# Altium PCB SHD2ZW2v1.2.1.PcbDoc (part 1 of 2)
Units mm, origin at the board's own origin, x right, y up, seen from the top; angles counter-clockwise.
Board outline 80 x 70.63 mm, 2 copper layers (Top Layer, Bottom Layer), stack 1.671 mm thick; 108 components, 77 nets, 372 pads, 328 vias.
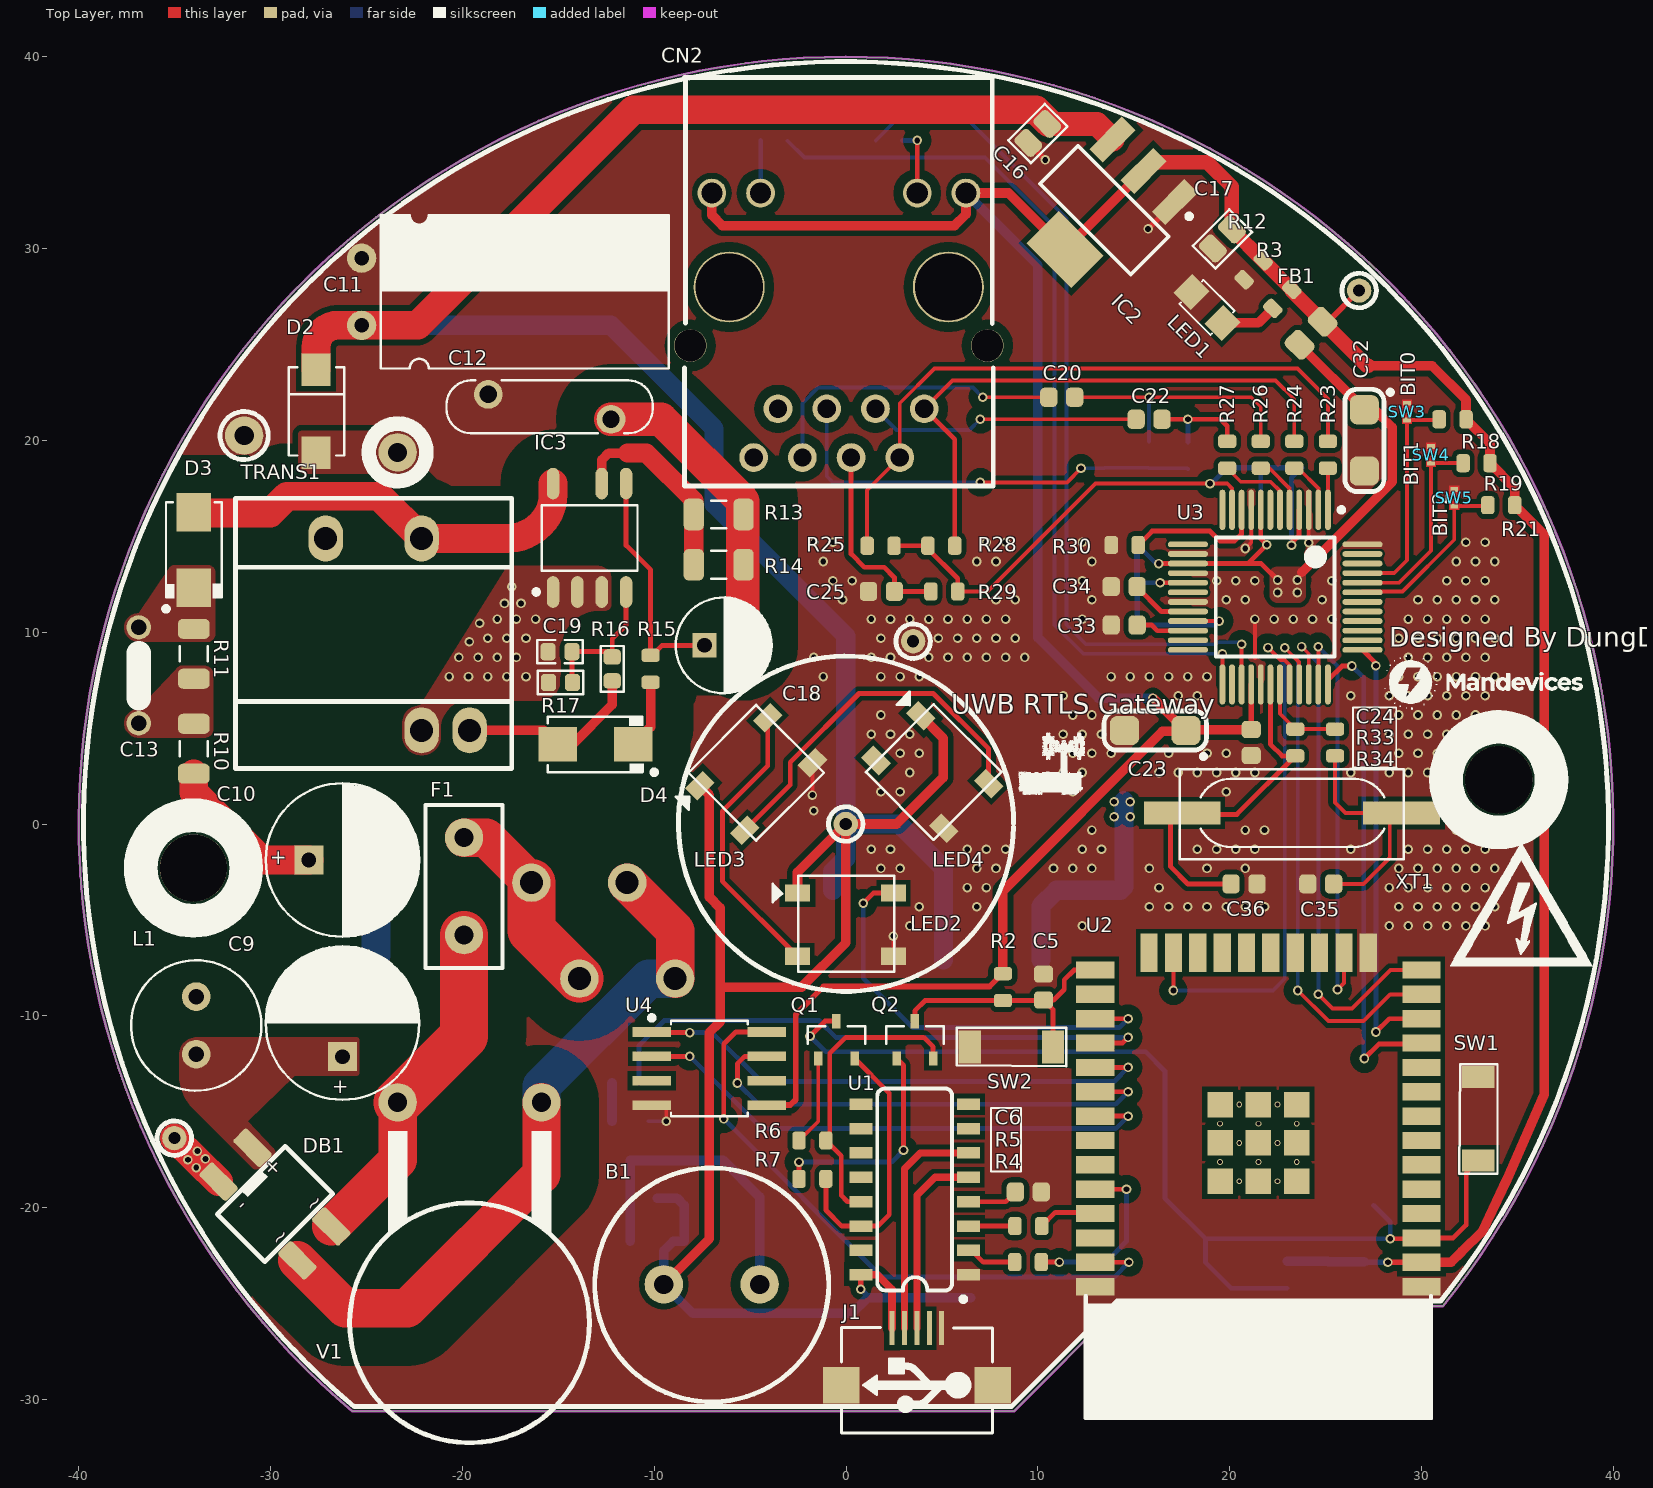
[diagram p0: Top Layer view]
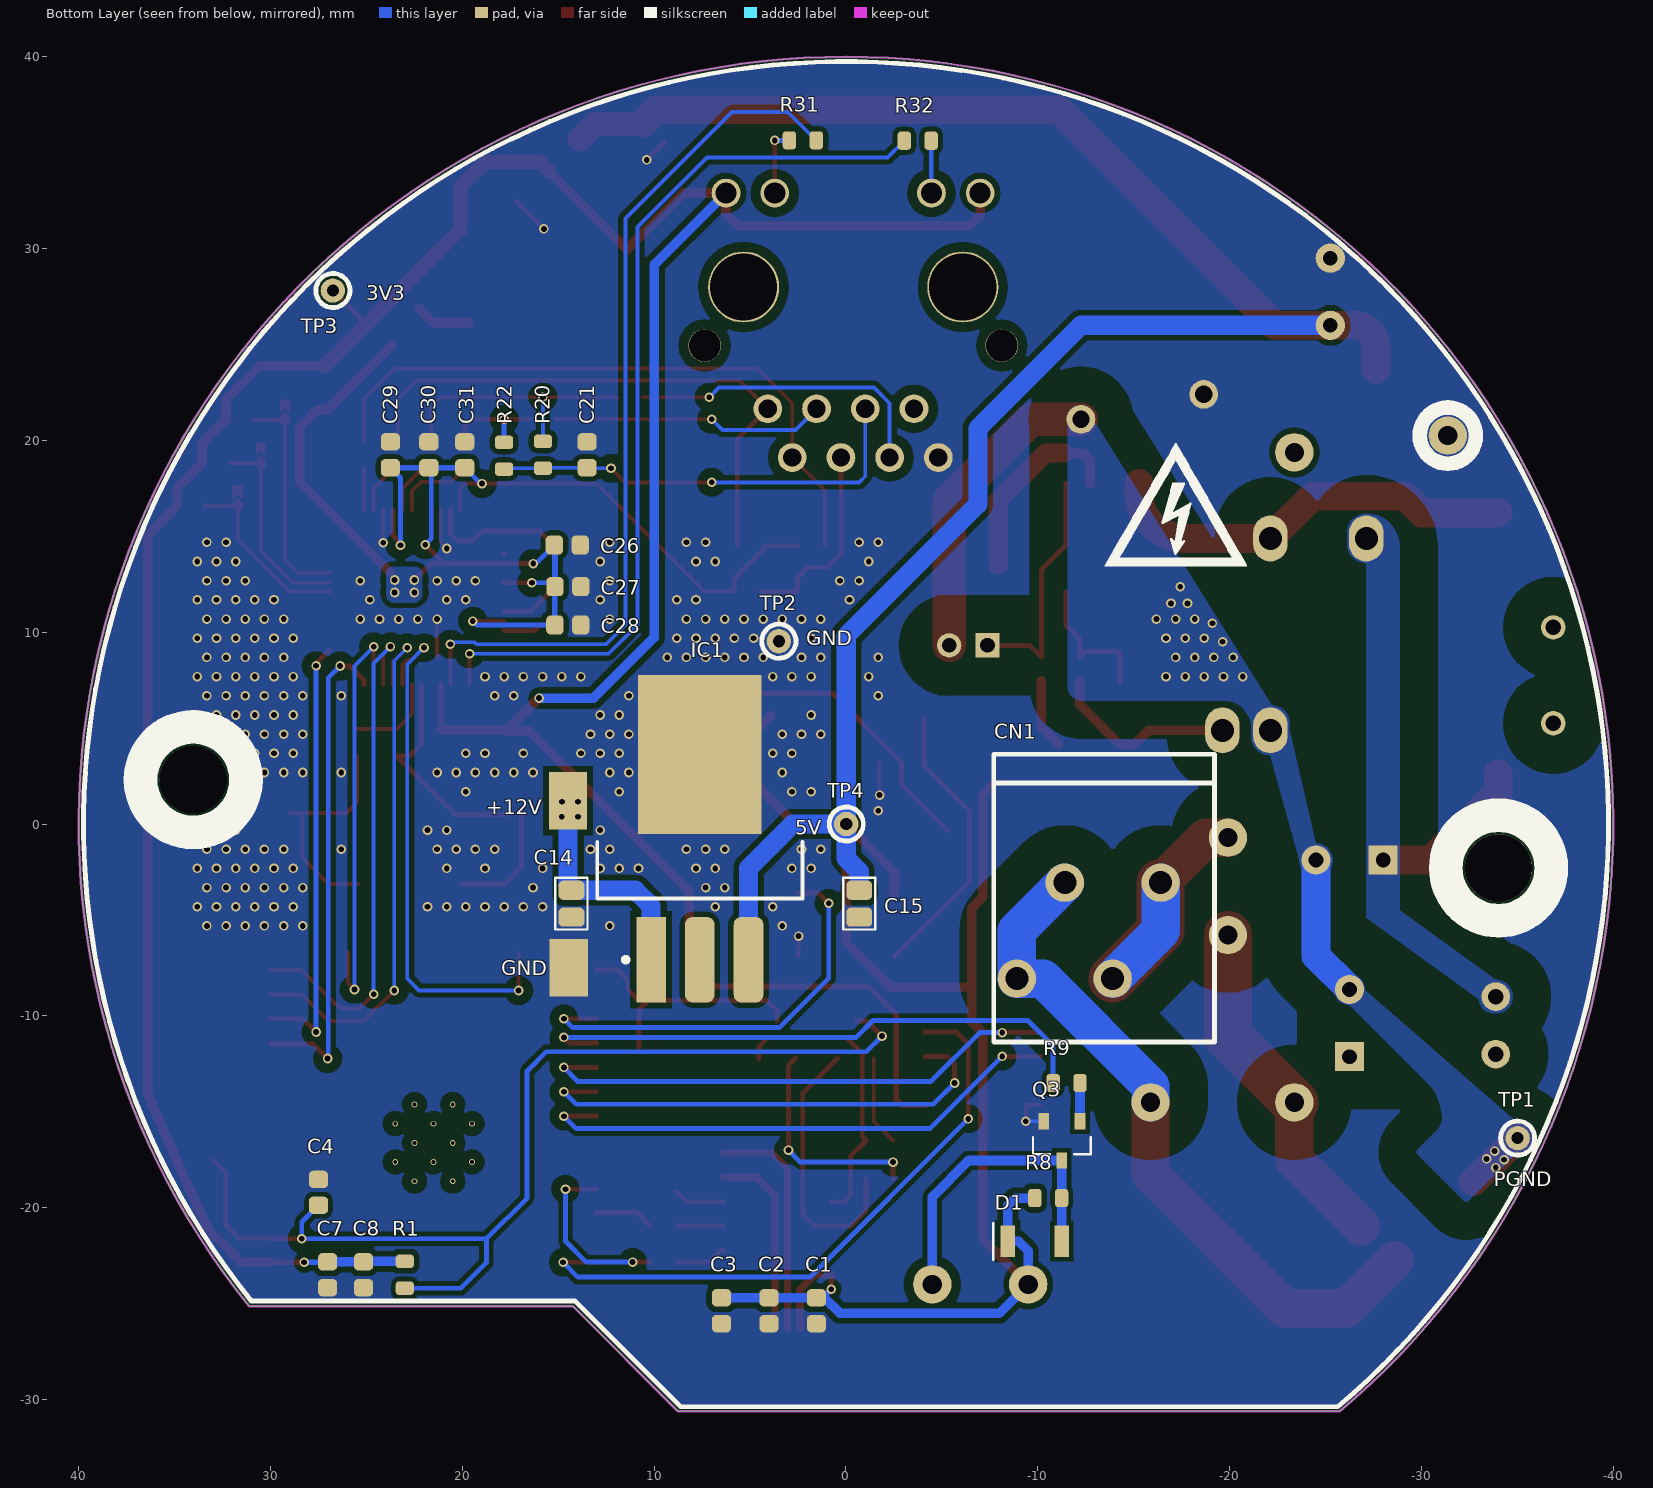
[diagram p1: Bottom Layer view, seen from below]
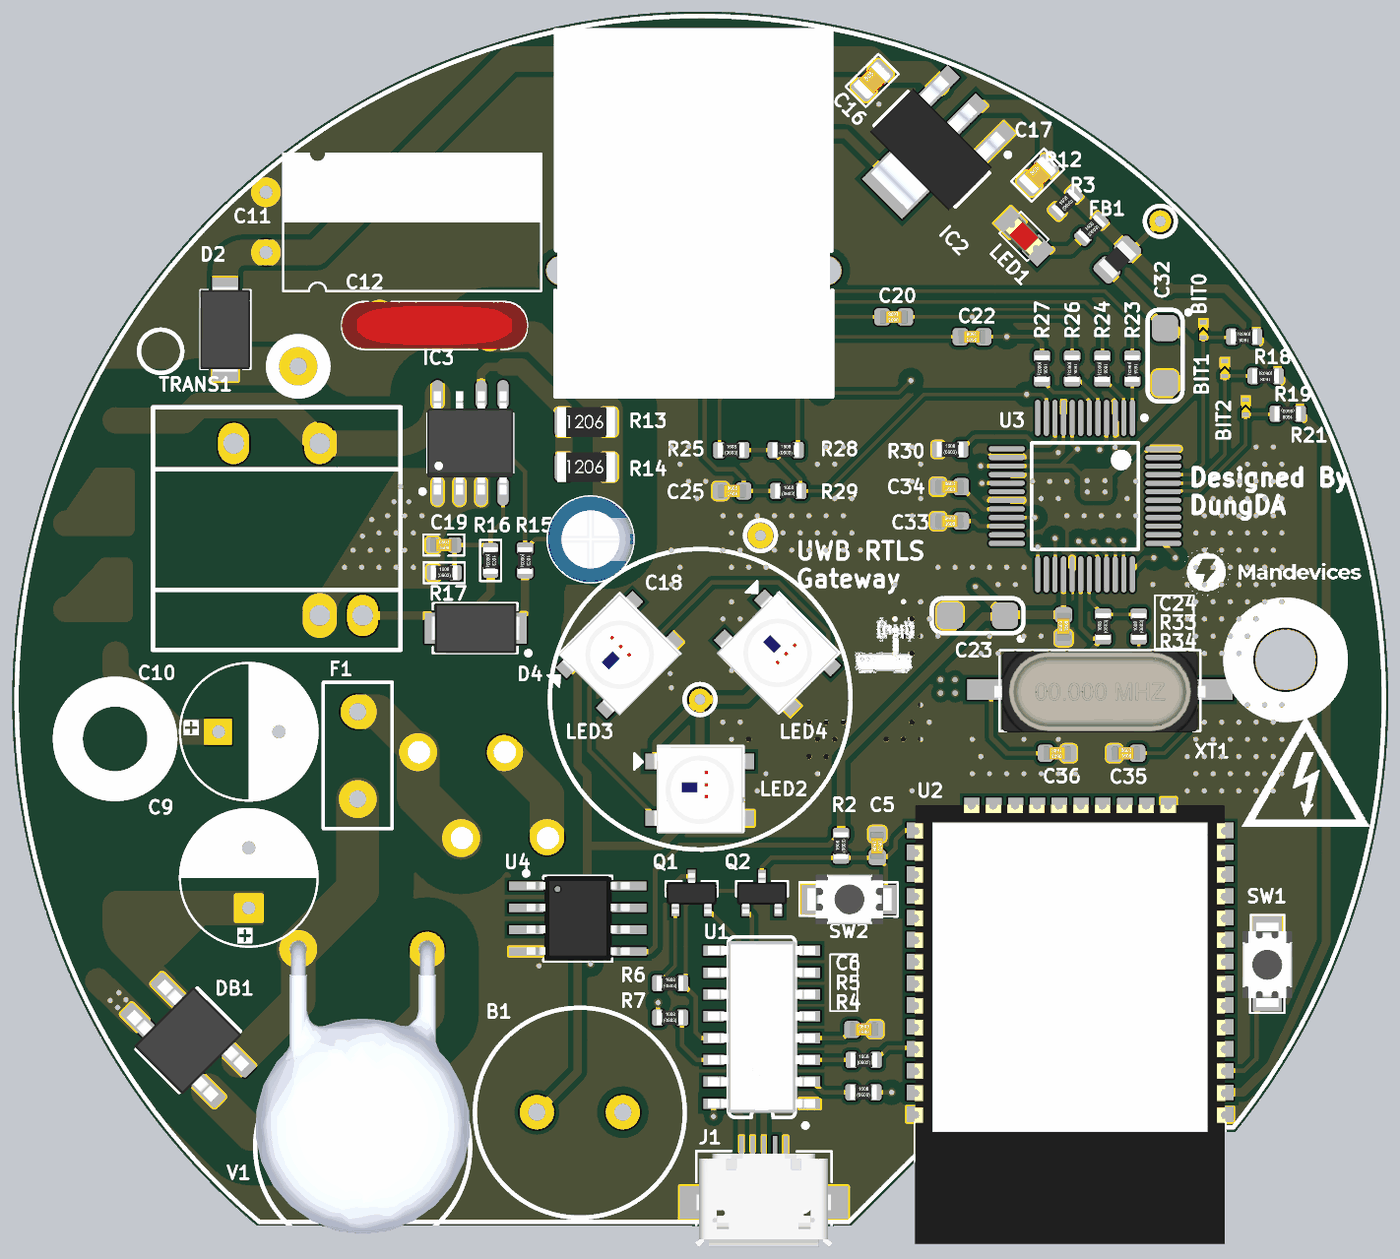
[diagram p3: 3D render of the assembled board from above, using the file's embedded part models]
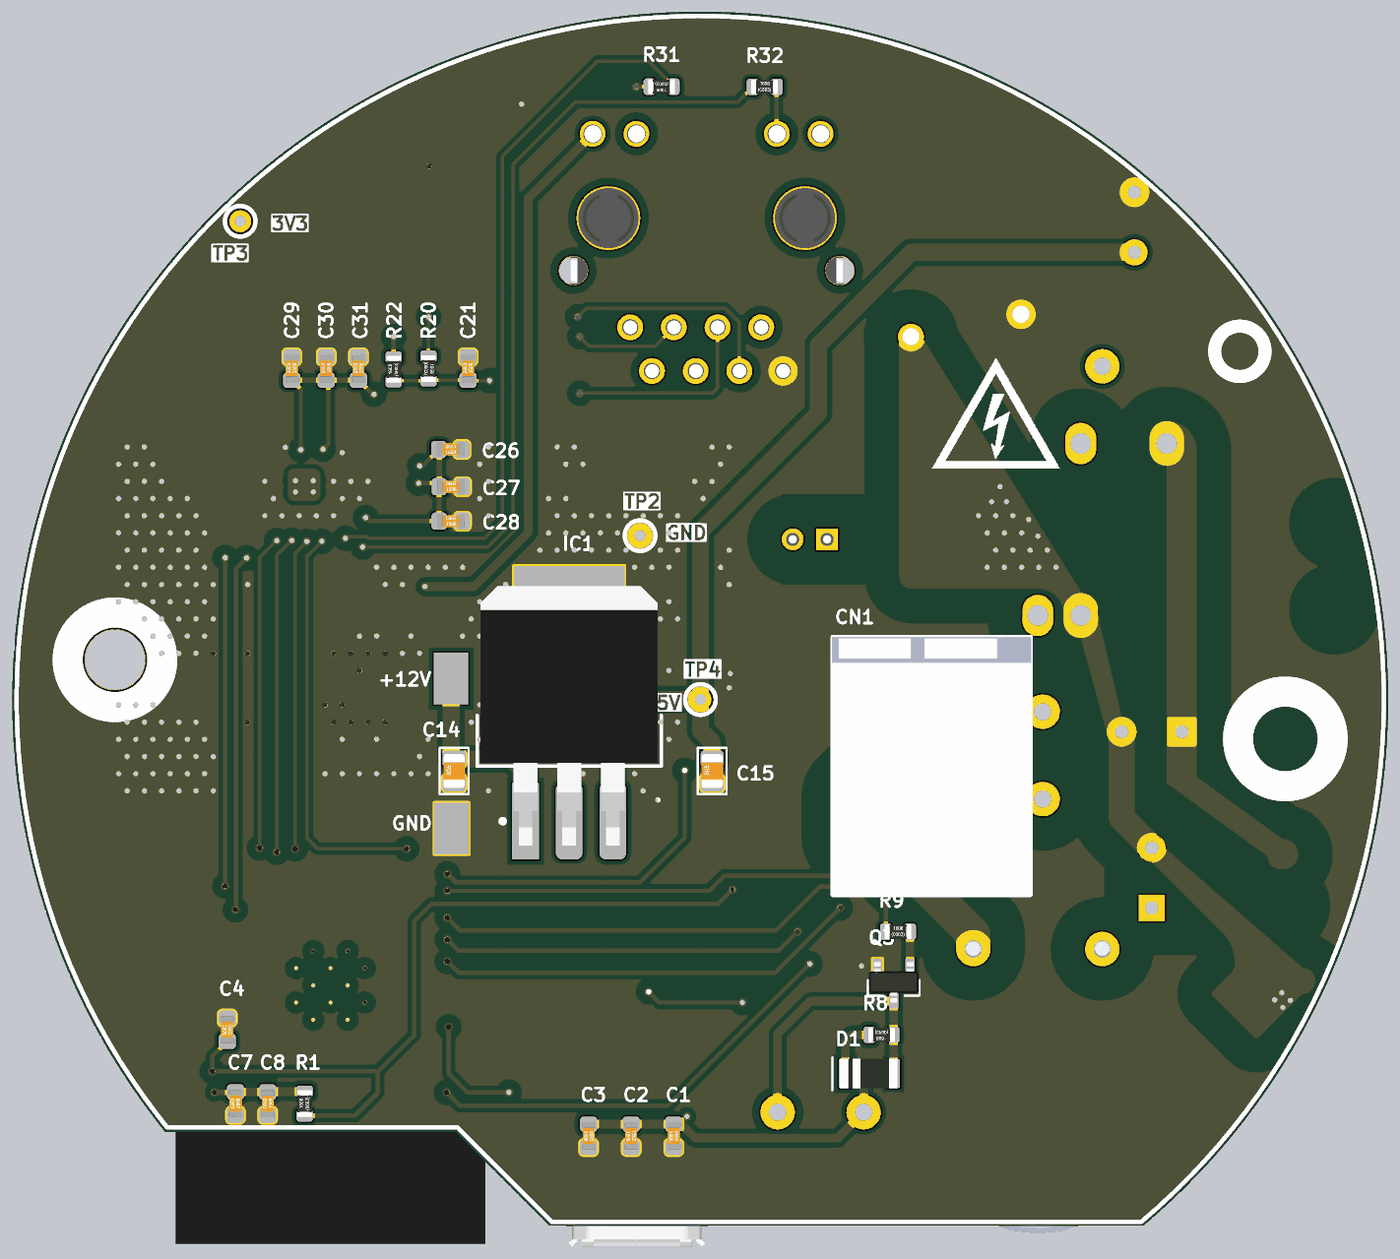
[diagram p4: 3D render of the assembled board from below, using the file's embedded part models]

## Layer stack, top to bottom
Top Solder: solder mask 0.0102, Solder Resist, Dk 3.5
Top Layer: signal copper 0.0356
Dielectric1: core 1.6, FR-4, Dk 4.8
Bottom Layer: signal copper 0.0356
Bottom Solder: solder mask 0.0102, Solder Resist, Dk 3.5

## Board outline
-25.73,-30.626 cw(c0,0) 31.114,-25.137 31.115,-25.138 14.237,-25.138 8.75,-30.625

## Design rules (kind name [scope] priority, off if disabled: settings)
Clearance W5500 [HasFootprint('LQFP 48');] p1: gap=0.127 ignorepadtopadclearanceinfootprint=FALSE
Clearance "In Peak voltage class" [(InNetClass('Peak voltage')) vs (InNetClass('Peak voltage'))] p2: gap=0.25 ignorepadtopadclearanceinfootprint=FALSE except(0: Arc-Hole Track-Hole SMDPad-Hole THPad-Hole Via-Hole Fill-Hole Poly-Hole Region-Hole Text-Hole)
Clearance "In Power voltage class" [InNetClass('Power') vs InNetClass('Power')] p3: gap=0.25 ignorepadtopadclearanceinfootprint=FALSE except(0: Arc-Hole Track-Hole SMDPad-Hole THPad-Hole Via-Hole Fill-Hole Poly-Hole Region-Hole Text-Hole)
Clearance "Keepout layer" [(InNetClass('Low voltage') OR InNetClass('Peak power') OR InNetClass('Power') OR InPolygon) vs OnLayer('Keep-Out Layer')] p4: gap=0.25 ignorepadtopadclearanceinfootprint=FALSE except(0: Arc-Hole Track-Hole SMDPad-Hole THPad-Hole Via-Hole Fill-Hole Poly-Hole Region-Hole Text-Hole)
Clearance "Peak Voltage class" [InNetClass('Peak power')] p5: gap=1 ignorepadtopadclearanceinfootprint=FALSE except(0: Arc-Hole Track-Hole SMDPad-Hole THPad-Hole Via-Hole Fill-Hole Poly-Hole Region-Hole Text-Hole)
Clearance "GND Plane to Low voltage" [(InNamedPolygon('GND Plane')) vs InNetClass('Low voltage')] p6: gap=0.3 ignorepadtopadclearanceinfootprint=FALSE except(0: Arc-Hole Track-Hole SMDPad-Hole THPad-Hole Via-Hole Fill-Hole Poly-Hole Region-Hole Text-Hole)
Clearance "GND Plane to Power" [(InNamedPolygon('GND Plane')) vs InNetClass('Power')] p7: gap=2 ignorepadtopadclearanceinfootprint=FALSE except(0: Arc-Hole Track-Hole SMDPad-Hole THPad-Hole Via-Hole Fill-Hole Poly-Hole Region-Hole Text-Hole)
Clearance "GND Plane to Peak voltage" [(InNamedPolygon('GND Plane')) vs (InNetClass('Peak voltage'))] p8: gap=2 ignorepadtopadclearanceinfootprint=FALSE except(0: Arc-Hole Track-Hole SMDPad-Hole THPad-Hole Via-Hole Fill-Hole Poly-Hole Region-Hole Text-Hole)
Clearance "GND Plane to Hold" [(InNamedPolygon('GND Plane')) vs OnLayer('Multi-Layer')] p9: gap=0.5 ignorepadtopadclearanceinfootprint=FALSE except(0: Arc-Hole Track-Hole SMDPad-Hole THPad-Hole Via-Hole Fill-Hole Poly-Hole Region-Hole Text-Hole)
Clearance "Power class" [InNetClass('Power')] p10: gap=0.762 ignorepadtopadclearanceinfootprint=FALSE except(0: Arc-Hole Track-Hole SMDPad-Hole THPad-Hole Via-Hole Fill-Hole Poly-Hole Region-Hole Text-Hole)
Clearance [All] p11: gap=0.254 ignorepadtopadclearanceinfootprint=FALSE
DiffPairsRouting [All] p1: maxlimit=0.254 minlimit=0.254 mostfreqgap=0.254 toplayer_minwidth=0.381 toplayer_maxwidth=0.381 toplayer_prefwidth=0.381 bottomlayer_minwidth=0.381 bottomlayer_maxwidth=0.381 bottomlayer_prefwidth=0.381 maxuncoupledlength=12.7
HoleSize [All] p1: absolutevalues=TRUE maxlimit=2.54 minlimit=0.5 maxpercent=80.000 minpercent=20.000
MinimumSolderMaskSliver [All] p1: minsoldermaskwidth=0
PlaneConnect [All] p1: planeconnectstyle=Relief reliefexpansion=0.508 reliefentries=4 reliefconductorwidth=0.508 reliefairgap=0.254
PolygonConnect [All] p1: connectstyle=Direct reliefconductorwidth=0.508 reliefentries=4 polygonreliefangle="90 Angle" airgapwidth=0.254
RoutingVias [All] p1: holewidth=0.3 width=0.5 viastyle="Through Hole" minholewidth=0.3 minwidth=0.5 maxholewidth=0.3 maxwidth=0.6
SilkToSilkClearance [All] p1: silktosilkclearance=0
SilkToSolderMaskClearance SilkscreenOverComponentPads [IsPad] p1: minsilkscreentomaskgap=0 clearancetoexposedcopper=TRUE
SolderMaskExpansion [All] p1: expansion=0.102
UnRoutedNet [All] p1: checkbadconnections=TRUE
Width [All] p1: maxlimit=3 minlimit=0.127 preferedwidth=0.254
23 further rules are at their usual default settings.

## Classes and differential pairs
component class "U_External Flash": U4
net class Power: L N NetDB1_4
net class "Peak voltage": FB GND1 NetC9_1 NetC13_1 NetC13_2 NetD3_2 NetD4_1 NetD4_2 PSOURCE PVCC V_IN
net class "Low voltage": +3V3 +5V +12V A GND
component class "U_Power Supply": C9 C10 C11 C12 C13 C15 C16 C17 C18 C19 C22 C23 CN1 D2 D3 D4 DB1 F1 IC2 IC3 L1 R10 R11 R12 R13 R14 R15 R16 R17 TP1 TP2 TP3 TP4 TRANS1 V1
component class U_Ethernet: C20 C21 C22 C23 C24 C25 C26 C27 C28 C29 C30 C31 C32 C33 C34 C35 C36 CN2 FB1 R18 R19 R20 R21 R22 R23 R24 R25 R26 R27 R28 R29 R30 R31 R32 R33 R34 SW3 SW4 SW5 U3 XT1
component class U_MCU: B1 C1 C2 C3 C4 C5 C6 C7 C8 D1 J1 LED1 LED2 LED3 LED4 Q1 Q2 Q3 R1 R2 R3 R4 R5 R6 R7 R8 R9 SW1 SW2 U1 U2
differential pair D: +D_P -D_N

## Components (designator, comment, footprint, x,y, rotation, side; value= is the part's Value field where it differs from the comment)
B1 "Buzzer" PS1240P02BT -7,-24 r0 top
C1 "104/50V" C0603-B 1.54,-25.375 r270 bottom
C2 "104/50V" C0603-B 4.015,-25.375 r270 bottom
C3 "104/50V" C0603-B 6.49,-25.375 r270 bottom
C4 "106/10V" C0603-B 27.5,-19.2 r270 bottom
C5 "106/10V" C0603-B 10.296,-8.5 r270 top
C6 "104/50V" C0603-B 9.505,-19.182 r0 top
C7 "106/10V" C0603-B 27.025,-23.497 r90 bottom
C8 "104/50V" C0603-B 25.15,-23.5 r90 bottom
C9 "4.7uF/400V" CAPPR3.5-8x11.5 -26.25,-10.375 r90 top
C10 "4.7uF/400V" CAPPR3.5-8x11.5 -26.25,-1.875 r0 top
C11 "1000uF 10VDC" CAPPR3.5-8x15A -25.25,27.75 r90 top
C12 "2200pF/500V" 562R5TSD22 -15.45,21.75 r180 top
C13 "220pF/1kV" F221K25Y5RN6UK5R -36.875,7.75 r270 top
C14 "330nF" C0805-C 14.313,-4.156 r90 bottom value=106/10V
C15 "100nF" C0805-C -0.692,-4.156 r90 bottom value=106/10V
C16 "106/10V" C0805-C 10,36 r45 top
C17 "106/10V" C0805-C 19.625,30.5 r45 top
C18 "10uF/50V" CAPPR2-5x11 -6.375,9.313 r0 top
C19 "100/50V" C0603-C -14.911,8.984 r0 top
C20 "6.8nF" C0603-B 11.25,22.25 r180 top value=683/50V
C21 "103/50V" C0603-B 13.5,19.25 r90 bottom
C22 "6.8nF" C0603-B 15.8,21.1 r180 top value=683/50V
C23 "10uF/16V" CAP_3216 16.125,4.875 r180 top
C24 "104/50V" C0603-B 21.125,4.25 r90 top
C25 "22nF" C0603-B 1.847,12.125 r0 top value=222/50V
C26 "104/50V" C0603-B 14.53,14.543 r180 bottom
C27 "104/50V" C0603-B 14.5,12.375 r180 bottom
C28 "104/50V" C0603-B 14.503,10.375 r180 bottom
C29 "104/50V" C0603-B 23.75,19.25 r90 bottom
C30 "104/50V" C0603-B 21.75,19.25 r90 bottom
C31 "104/50V" C0603-B 19.875,19.25 r90 bottom
C32 "10uF/16V" CAP_3216 27.025,20 r270 top
C33 "106/10V" C0603-B 14.503,10.375 r0 top
C34 "475 / 6.3V" C0603-B 14.5,12.375 r0 top
C35 "18pF" C0603-B 24.75,-3.125 r0 top value=106/10V
C36 "18pF" C0603-B 20.75,-3.125 r180 top value=106/10V
CN1 "POWER" H60200801000G -12.655,-5.561 r0 bottom value=CON-4
CN2 "HR911105A" HR911105A -0.375,26 r0 top
D1 "CD4148WP" D1206-C -9.841,-21.752 r180 bottom
D2 "STPS2150A" SMA -27.625,21.525 r270 top
D3 "1A/1000V" DO-214BA -34,14.281 r90 top
D4 "1A/1000V" DO-214BA -13.062,4.147 r180 top
DB1 "HD06-T" HD0X -29.771,-19.812 r45 top
F1 "1A-300V" F36911000000 -19.914,-3.25 r270 top
FB1 "120R" FB0805-B 24.25,25.586 r225 top value="300 Ohms"
IC1 "78L05_TO252" TO-263-3-A 7.62,-0.775 r90 bottom
IC2 "LM1117" SOT223-4N 13.469,32 r225 top value=LM317
IC3 "TEA1721AT" SO-7 -12.938,15.125 r0 top
J1 "USB-5" USB-M1 3.7,-26.282 r180 top
L1 "1000uH/120mA" RLB0812 -33.875,-10.5 r90 top
LED1 "LED" LED-0805-Red 19.625,26.125 r135 top value="LED 3 ly Single Colour"
LED2 "RGB 4 Pin WS2812B" WS2812B -0.03,-5.25 r0 top
LED3 "RGB 4 Pin WS2812B" WS2812B -4.684,2.601 r45 top
LED4 "RGB 4 Pin WS2812B" WS2812B 4.5,2.71 r315 top
Q1 "MMTB1815" SOT23-321-C -0.5,-11.25 r270 top
Q2 "MMTB1815" SOT23-321-C 3.59,-11.25 r270 top
Q3 "MMBT2222ALT1G" SOT23-321-B -11.25,-16.519 r90 bottom
R1 "10K/1%" R0603-B 23,-23.5 r90 bottom
R2 "10K/1%" R0603-B 8.181,-8.5 r90 top
R3 "10K/1%" R0603-B 22.75,27.375 r45 top
R4 "1K/1%" R0603-B 9.489,-22.839 r0 top
R5 "1K/1%" R0603-B 9.505,-20.96 r0 top
R6 "10K/1%" R0603-B -1.75,-16.5 r0 top
R7 "10K/1%" R0603-B -1.75,-18.5 r0 top
R8 "1K/5%" R0603-B -10.541,-19.502 r0 bottom
R9 "4.7K/5%" R0603-B -11.5,-13.5 r180 bottom
R10 "471/5%" R1206-C -34,3.925 r270 top
R11 "104/5%" R1206-C -34,8.875 r270 top
R12 "3.3K/5%" R0603-B 21.25,28.875 r45 top
R13 "3R3/1%" R1206-C -6.637,16.136 r0 top
R14 "3R3/1%" R1206-C -6.637,13.518 r0 top
R15 "10R/5%" R0603-B -10.188,8.088 r270 top
R16 "15K/1%" R0603-C -12.187,8.088 r270 top
R17 "3k9/1%" R0603-C -14.885,7.375 r0 top
R18 "1K/1%" R0603-B 31.625,21.1 r180 top
R19 "1K/1%" R0603-B 32.875,18.813 r180 top
R20 "49.9R" R0603-B 15.8,19.25 r270 bottom value=10K/1%
R21 "1K/1%" R0603-B 34.161,16.625 r180 top
R22 "49.9R" R0603-B 17.825,19.2 r90 bottom value=10K/1%
R23 "330" R0603-B 25.121,19.25 r270 top
R24 "330" R0603-B 23.373,19.25 r270 top
R25 "49.9R" R0603-B 1.802,14.506 r0 top value=10K/1%
R26 "330" R0603-B 21.624,19.25 r270 top
R27 "330" R0603-B 19.875,19.25 r270 top
R28 "49.9R" R0603-B 4.97,14.51 r0 top value=10K/1%
R29 "10R/5%" R0603-B 5.125,12.125 r0 top
R30 "12K4" R0603-B 14.53,14.543 r0 top
R31 "330R/5%" R0603-B 2.25,35.641 r0 bottom
R32 "330R/5%" R0603-B -3.742,35.625 r180 bottom
R33 "1M" R0603-B 23.42,4.25 r90 top value=2M/5%
R34 "0R" R0603-B 25.5,4.25 r90 top
SW1 "SW" "SW2 - 3x4x2.5" 32.967,-15.375 r90 top value="SW chip 2 pin"
SW2 "SW" "SW2 - 3x4x2.5" 8.625,-11.625 r180 top value="SW chip 2 pin"
SW3 "Switch NO" "SW0.5 NO" 29.25,21.5 r90 top
SW4 "Switch NO" "SW0.5 NO" 30.5,19.25 r90 top
SW5 "Switch NO" "SW0.5 NO" 31.711,17 r90 top
TP1 "PGND" "TP Multilayer" -35.016,-16.375 r180 bottom value="TP Multilayer"
TP2 "GND" "TP Multilayer" 3.5,9.53 r180 bottom value="TP Multilayer"
TP3 "3V3" "TP Multilayer" 26.75,27.812 r180 bottom value="TP Multilayer"
TP4 "5V" "TP Multilayer" -0.014,0 r90 bottom value="TP Multilayer"
TRANS1 "HTK-MUC51" HTK-MUC51 -24.625,9.886 r270 top value=TRANS
U1 "CH340C" SO016 3.575,-19.055 r90 top
U2 "ESP_WROOM_32" ESP32_WROOM_32 21.5,-17.12 r180 top
U3 "W5500" "LQFP 48" 22.375,11.829 r270 top
U4 "W25Q128" SOIC-8 -7.125,-12.75 r270 top
V1 "3.5kA" V10E300P-H -19.625,-14.508 r0 top
XT1 "25Mhz" XTAL-RU49/4 28.193,0.58 r180 top value=12Mhz

## Footprints (in the part's own frame and the unit in brackets; to place one, negate y for a bottom-side part, rotate by r counter-clockwise, add the part's x,y. Pads: shape width x height; smd on the part's side, far side on the other; paste and mask are expansions set on the pad)
562R5TSD22 [mm]
  round 1.5 hole 0.9: 1(-3.2,0.65) 2(3.2,-0.65)
  silkscreen extent -5.38,-1.38 5.38,1.38, body extent -5.4,-1.35 5.4,1.35, height 14.4
C0603-B [mm] "Chip Capacitor, 2-Leads, Body 1.60x0.80mm, IPC Medium Density"
  rrect50% 0.9x1 smd: 1(-0.675,0) 2(0.675,0)
  body extent -0.8,-0.4 0.8,0.4, height 0.8
C0603-C [mm] "Chip Capacitor, 2-Leads, Body 1.60x0.80mm, IPC High Density"
  rrect50% 0.8x0.9 smd: 1(-0.625,0) 2(0.625,0)
  silkscreen extent -1.19,-0.61 1.19,0.61, body extent -0.8,-0.4 0.8,0.4, height 0.8
C0805-C [mm] "Chip Capacitor, 2-Leads, Body 2.00x1.25mm, IPC High Density"
  rrect50% 1x1.35 smd: 1(-0.7,0) 2(0.7,0)
  silkscreen extent -1.35,-0.84 1.35,0.84, body extent -1,-0.62 1,0.63, height 0.78
CAP_3216 [mil]
  rrect50% 60x60 smd: 1(-62.99,0) 2(62.99,0)
  silkscreen extent -105,-40 105,58, body extent -63,-31 63,31, height 39
CAPPR2-5x11 [mm] "Capacitor, Radial; Body 5.5x11 mm(Dia.xH max); Pin Spacing 2.5mm(typ)"
  rect 1.27x1.27 hole 0.762: 1(-1,0)
  round 1.27 hole 0.762: 2(1,0)
  silkscreen extent -2.5,-2.5 2.5,2.5, body extent -2.5,-2.5 2.5,2.5, height 11
CAPPR3.5-8x11.5 [mil] "Capacitor, Radial; Body 8x11 mm(Dia.xH max); Pin Spacing 3.5 mm(typ)"
  rect 60x60 hole 30: 1(-68.9,0)
  round 60 hole 30: 2(68.9,0)
  silkscreen extent -157,-157 157,157, body extent -159,-158 156,157, height 453
CAPPR3.5-8x15A [mil] "Capacitor, Radial; Body 8x15 mm(Dia.xH max); Pin Spacing 3.5 mm(typ)"
  round 60 hole 30: 1(-68.9,0) 2(68.9,0)
  silkscreen extent -157,-630 157,-39, body extent -157,-630 157,15, height 315
D1206-C [mm] "SODFL, 2-Leads, Body 1.60x3.20mm, IPC High Density"
  rect 0.75x1.65 smd: 1(-1.4,0) 2(1.4,0)
  silkscreen extent -2.16,-0.97 -2.16,0.94, body extent -1.73,-0.86 1.62,0.87, height 0.85
DO-214BA [mm] "Molded Diode, 2-Leads, Body 4.50x2.65mm, IPC Low Density"
  rect 2x1.8 smd: 1(-1.965,0) 2(1.965,0)
  silkscreen extent -3.19,-1.45 2.49,1.57, body extent -2.59,-1.45 2.6,1.45, height 2.74
ESP32_WROOM_32 [mm] "ESP32_WROOM_32 Module, Antenna Onboard"
  rect 1.33x1.33 smd: 0(-2,1.505) 0(-2,-0.495) 0(-2,-2.495) 0(0,1.505) 0(0,-0.495) 0(0,-2.495) 0(2,1.505) 0(2,-0.495) 0(2,-2.495)
  rect 2x0.9 smd: 1(-8.5,7) 2(-8.5,5.73) 3(-8.5,4.46) 4(-8.5,3.19) 5(-8.5,1.92) 6(-8.5,0.65) 7(-8.5,-0.62) 8(-8.5,-1.89) 9(-8.5,-3.16) 10(-8.5,-4.43) 11(-8.5,-5.7) 12(-8.5,-6.97) 13(-8.5,-8.24) 14(-8.5,-9.51) 25(8.5,-9.51) 26(8.5,-8.24) 27(8.5,-6.97) 28(8.5,-5.7) 29(8.5,-4.43) 30(8.5,-3.16) 31(8.5,-1.89) 32(8.5,-0.62) 33(8.5,0.65) 34(8.5,1.92) 35(8.5,3.19) 36(8.5,4.46) 37(8.5,5.73) 38(8.5,7)
  rect 0.9x2 smd: 15(-5.73,-10.415) 16(-4.46,-10.415) 17(-3.19,-10.415) 18(-1.92,-10.415) 19(-0.65,-10.415) 20(0.62,-10.415) 21(1.89,-10.415) 22(3.16,-10.415) 23(4.43,-10.415) 24(5.7,-10.415)
  silkscreen extent -9.1,7.4 9.1,13.95, body extent -9.04,-11 9.04,14.54, height 3
F221K25Y5RN6UK5R [mm]
  round 1.27 hole 0.8: 1(-2.5,0) 2(2.5,0)
  silkscreen extent -1.17,0 1.19,0, body extent -3,-1.05 3,1.05, height 8.1
F36911000000 [mm] "Time lag 300V 1A fuse"
  round 2 hole 1: 1(-2.54,0) 2(2.54,0)
  silkscreen extent -4.25,-2 4.25,2, body extent -4.25,-2 4.25,2, height 8
FB0805-B [mm] "Chip Resistor, 2-Leads, Body 2.00x1.25mm, IPC Medium Density"
  rrect50% 1.15x1.4 smd: 1(-0.85,0) 2(0.85,0)
  body extent -1,-0.6 1,0.6, height 0.95
H60200801000G [mm] "Anytex H6xx connector 2Pin Pitch 5mm"
  round 2 hole 1.2: 1(-3.75,-2.5) 2(-1.25,2.5) 3(1.25,-2.5) 4(3.75,2.5)
  silkscreen extent -6.55,-9.2 4.95,5.8, body extent -6.6,-9.2 5,5.8, height 15
HD0X [mm] "Diode bridge 0.8A 100V"
  rrect30% 1x2 smd: 1(1.25,2.899) 2(-1.25,-2.899) 3(-1.25,2.899) 4(1.25,-2.899)
  silkscreen extent -2.5,-1.75 2.5,1.75, body extent -2.48,-3.48 2.42,3.47, height 2.7
HR911105A [mm] "Connector RJ45"
  round 1.7 hole 1.65: 0(-7.745,-1.055) 0(7.745,-1.055)
  round 3.7 hole 3.5: 0(-5.715,1.995) 0(5.715,1.995)
  round 1.5 hole 0.95: 1(4.45,-4.355) 2(3.18,-6.895) 3(1.91,-4.355) 4(0.64,-6.895) 5(-0.63,-4.355) 6(-1.9,-6.895) 7(-3.17,-4.355) 8(-4.44,-6.895)
  round 1.5 hole 1.1: 9(6.63,6.895) 10(4.09,6.895) 11(-4.08,6.895) 12(-6.62,6.895)
  silkscreen extent -8.05,-8.38 8.05,12.92, body extent -7.95,-8.49 7.93,12.91, height 13.5
HTK-MUC51 [mm] "HTK-MUC51"
  oval 2.4x1.8 hole 1.2: 2(-5,2.5) 4(-5,-2.5) 9(5,2.5) 10(5,5)
  silkscreen extent -7.1,-7.2 7,7.2, body extent -7,-7.2 6.9,7.2, height 10.8
LED-0805-Red [mil]
  rect 50x55 smd: 1(0,0) 2(90,0)
  silkscreen extent 0,-35 90,35, body extent 5,-25 85,25, height 43
"LQFP 48" [mm] "LQFP, 48-Leads, Body 7,00x7,00mm, Pitch 0,50mm, IPC Medium Density"
  oval 2.1x0.3 smd: 1(-4.55,2.75) 2(-4.55,2.25) 3(-4.55,1.75) 4(-4.55,1.25) 5(-4.55,0.75) 6(-4.55,0.25) 7(-4.55,-0.25) 8(-4.55,-0.75) 9(-4.55,-1.25) 10(-4.55,-1.75) 11(-4.55,-2.25) 12(-4.55,-2.75) 25(4.55,-2.75) 26(4.55,-2.25) 27(4.55,-1.75) 28(4.55,-1.25) 29(4.55,-0.75) 30(4.55,-0.25) 31(4.55,0.25) 32(4.55,0.75) 33(4.55,1.25) 34(4.55,1.75) 35(4.55,2.25) 36(4.55,2.75)
  oval 0.3x2.1 smd: 13(-2.75,-4.55) 14(-2.25,-4.55) 15(-1.75,-4.55) 16(-1.25,-4.55) 17(-0.75,-4.55) 18(-0.25,-4.55) 19(0.25,-4.55) 20(0.75,-4.55) 21(1.25,-4.55) 22(1.75,-4.55) 23(2.25,-4.55) 24(2.75,-4.55) 37(2.75,4.55) 38(2.25,4.55) 39(1.75,4.55) 40(1.25,4.55) 41(0.75,4.55) 42(0.25,4.55) 43(-0.25,4.55) 44(-0.75,4.55) 45(-1.25,4.55) 46(-1.75,4.55) 47(-2.25,4.55) 48(-2.75,4.55)
  silkscreen extent -4.67,-3.1 3.1,3.58, body extent -4.5,-4.5 4.5,4.5, height 1.6
PS1240P02BT [mm] "Audio Indicators & Alerts Round 12.2mmx6.5mm 4kHz Vin=3V"
  round 2 hole 1: 1(-2.5,0) 2(2.5,0)
  silkscreen extent -6.1,-6.12 6.1,6.07, body extent -6.1,-6.12 6.1,6.07, height 6.5
R0603-B [mm] "Chip Resistor, 2-Leads, Body 1.60x0.82mm, IPC Medium Density"
  rrect50% 0.7x0.95 smd: 1(-0.7,0) 2(0.7,0)
  body extent -0.78,-0.43 0.77,0.42, height 0.45
R0603-C [mm] "Chip Resistor, 2-Leads, Body 1.60x0.82mm, IPC High Density"
  rrect50% 0.8x0.9 smd: 1(-0.625,0) 2(0.625,0)
  silkscreen extent -1.19,-0.61 1.19,0.61, body extent -0.78,-0.43 0.78,0.43, height 0.45
R1206-C [mm] "Chip Resistor, 2-Leads, Body 3.20x1.60mm, IPC High Density"
  rrect50% 1.05x1.65 smd: 1(-1.3,0) 2(1.3,0)
  silkscreen extent -0.4,-0.72 0.4,0.72, body extent -1.68,-0.86 1.68,0.86, height 0.85
RLB0812 [mm]
  round 1.5 hole 0.8: 1(-1.5,0) 2(1.5,0)
  silkscreen extent -3.4,-3.4 3.4,3.4, body extent -3.35,-3.35 3.35,3.35, height 10